# Altium PCB RemoteCtrl-V2.PcbDoc (part 4 of 4)
Units mil, origin at the board's own origin, x right, y up, seen from the top; angles counter-clockwise.
Board outline 3937.01 x 3700.79 mil, 2 copper layers (Top Layer, Bottom Layer); 118 components, 110 nets, 611 pads, 205 vias.
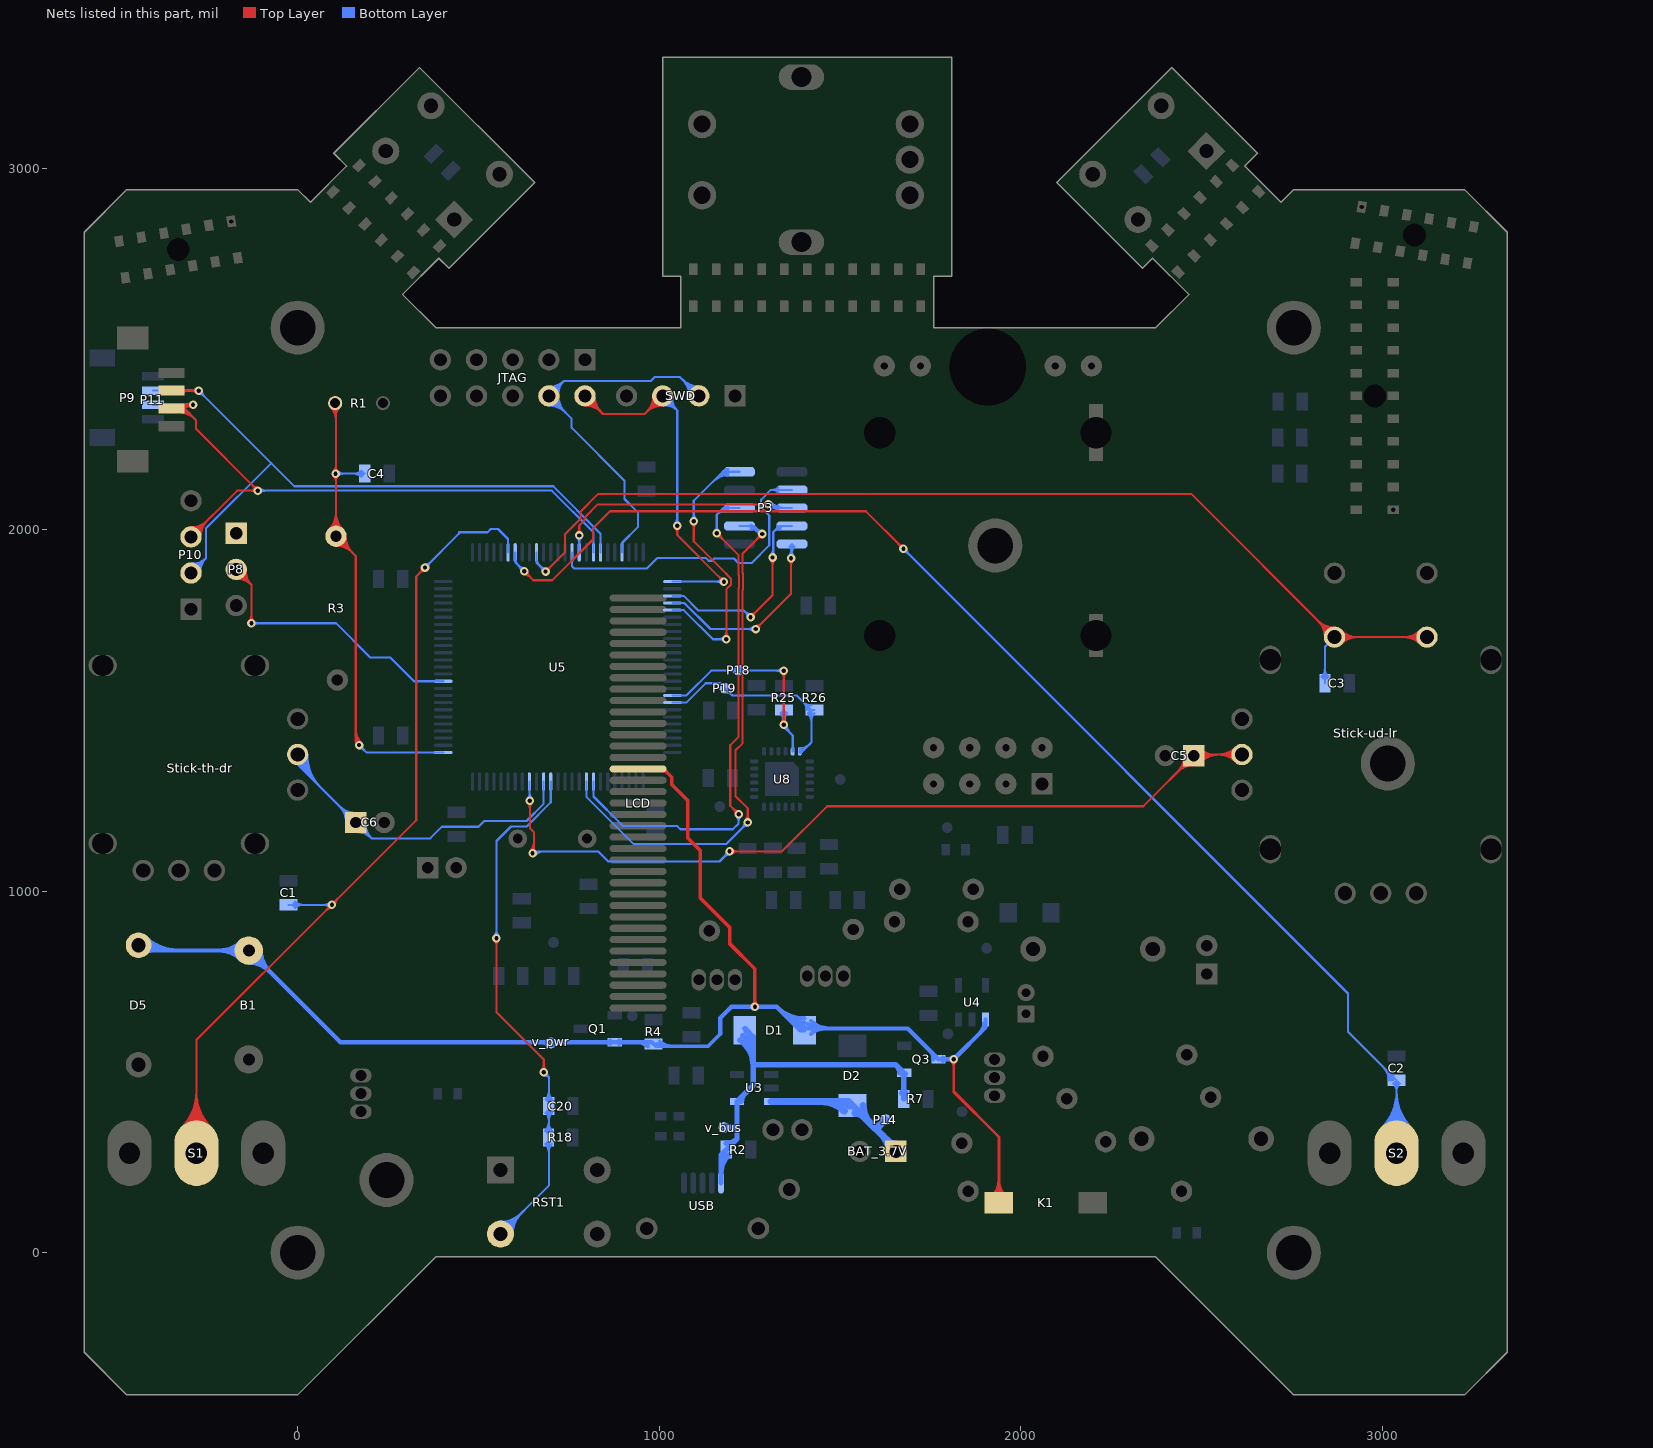
[diagram p4: the nets of this part, all layers, seen from the top]

## Via types
v1: diameter 23.62, hole 11.81, Top Layer to Bottom Layer, 200 vias
v2: diameter 17.72, hole 11.81, Top Layer to Bottom Layer, 3 vias
v3: diameter 17, hole 17, Top Layer to Bottom Layer, tented both sides, 2 vias

## Nets (pads, with @x,y where several pads share a name; then routed paths per layer and width w, separated by ;. In a path a pad name is that pad's centre, name@x,y a point inside that pad or via, vN(x,y) a via of type N, cw(c..) or ccw(c..) an arc to the next point about the centre after c; other vN are vias at no path point) (continued)
PC8: P3.3 U5.65 | length 900.2
  Bottom Layer w6: U5.65@759.37,1936.94 759.37,1897.87 764.9,1892.35 965.88,1892.35 995.54,1922 1129.11,1922 1137.11,1914 1146.76,1914 1152.79,1920.03 1207.19,1920.03 1219.8,1907.42 1255.57,1907.42 1304.81,1956.66 1304.81,2039.17 1282.19,2061.79 1282.19,2083.04 1309.15,2110 P3.3@1367.83,2110 ; P3.3@1330.4,2103.07 ccw(c1313.68,2086.35) 1313.68,2110 ccw(c1313.67,2133.65) P3.3@1330.4,2116.93
PC9: P3.5 U5.66 | length 929.6
  Top Layer w6: v1@772.82,1990.28 ccw(c757.78,2005.32) 779.05,2005.32 ccw(c800.33,2005.32) v1@785.29,1990.28 ; v1(779.05,1984.05) 779.05,2011.5 794,2026.44 794,2033.44 830.56,2070 v1(1302,2070) ; v1@1295.77,2063.77 ccw(c1280.73,2048.73) 1280.73,2070 ccw(c1280.73,2091.27) v1@1295.77,2076.23
  Bottom Layer w6: v1@772.82,1977.82 cw(c757.78,1962.78) 779.05,1962.78 cw(c800.33,1962.78) v1@785.29,1977.82 ; U5.66@779.06,1936.94 v1(779.05,1984.05) ; v1@1299.75,2067.75 ccw(c1318.45,2086.45) 1318.45,2060 ; v1(1302,2070) 1312,2060 P3.5@1367.83,2060 ; v1@1303.99,2071.99 ccw(c1332.93,2100.93) P3.5@1332.93,2060 ; v1@1308.23,2076.23 ccw(c1347.42,2115.42) P3.5@1347.42,2060 ; P3.5@1330.4,2053.07 ccw(c1313.68,2036.35) 1313.68,2060 ccw(c1313.67,2083.65) P3.5@1330.4,2066.93
PC10: P3.7 U5.78 | length 738.7
  Top Layer w6: v1(1253,1758) 1314,1819 v1(1314,1923) ; v1@1253,1766.81 ccw(c1253,1788.08) 1268.04,1773.04 ccw(c1283.08,1758) v1@1261.81,1758 ; v1@1307.77,1916.77 cw(c1292.73,1901.73) 1314,1901.73 cw(c1335.27,1901.73) v1@1320.23,1916.77
  Bottom Layer w6: U5.78@1036.94,1816.85 1068.15,1816.85 1109,1776 1235,1776 v1(1253,1758) ; v1@1244.19,1758 ccw(c1222.92,1758) 1237.96,1773.04 ccw(c1253,1788.08) v1@1253,1766.81 ; v1@1307.77,1929.23 ccw(c1288.36,1948.64) 1315.81,1948.64 ; v1(1314,1923) 1315.81,1924.81 1315.81,1993.81 ; 1315.81,1939.9 ccw(c1330.9,1939.9) v1@1320.23,1929.23 ; 1324.15,2002.15 cw(c1334.47,1991.83) P3.7@1336.73,2006.25 ; 1324.36,2002.36 ccw(c1316.73,2010) P3.7@1327.53,2010 ; P3.7@1335.8,2000.32 ccw(c1332.21,1977.42) 1315.81,1993.81 ; P3.7@1367.83,2010 1332,2010 1315.81,1993.81
PC11: P3.9 U5.79 | length 750
  Top Layer w6: v1(1267,1725) 1365,1823 v1(1365,1921) ; v1@1267,1733.81 ccw(c1267,1755.08) 1282.04,1740.04 ccw(c1297.08,1725) v1@1275.81,1725 ; v1@1358.77,1914.77 cw(c1343.73,1899.73) 1365,1899.73 cw(c1386.27,1899.73) v1@1371.23,1914.77
  Bottom Layer w6: U5.79@1036.94,1797.16 1069.83,1797.17 1142,1725 v1(1267,1725) ; v1@1260.77,1718.77 ccw(c1245.73,1703.73) 1245.73,1725 ccw(c1245.73,1746.27) v1@1260.77,1731.23 ; v1@1358.77,1927.23 ccw(c1343.73,1942.27) 1365,1942.27 ccw(c1386.27,1942.27) v1@1371.23,1927.23 ; v1@1360.59,1928.63 ccw(c1353.72,1940.54) 1367,1936.98 ; P3.9@1360.91,1953.07 cw(c1351.03,1943.2) 1365,1943.2 ; v1(1365,1921) 1365,1957.16 P3.9@1367.83,1960 ; v1@1365,1929.51 cw(c1398.33,1929.51) P3.9@1374.76,1953.07 ; 1365,1943.99 cw(c1383.84,1943.99) P3.9@1370.52,1957.32 ; 1368.48,1942.49 ccw(c1385.85,1937.83) v1@1371.86,1926.53
PC12: P3.2 U5.80 | length 1048.2
  Top Layer w6: v1@1089.77,2016.77 cw(c1074.73,2001.73) 1096,2001.73 cw(c1117.27,2001.73) v1@1102.23,2016.77 ; v1(1096,2023) 1096,1968 1186,1878 1186,1877.46 1199.03,1864.43 1199.03,1848.01 1186,1834.98 v1(1186,1697) ; v1@1179.77,1703.23 ccw(c1164.73,1718.27) 1186,1718.27 ccw(c1207.27,1718.27) v1@1192.23,1703.23
  Bottom Layer w6: U5.80@1036.94,1777.48 1068.52,1777.48 1149,1697 v1(1186,1697) ; v1@1089.77,2029.23 ccw(c1074.73,2044.27) 1096,2044.27 ccw(c1117.27,2044.27) v1@1102.23,2029.23 ; v1(1096,2023) 1096,2080 1176,2160 ; 1148.21,2132.21 cw(c1191.65,2088.77) P3.2@1191.65,2150.2 ; 1158.45,2142.45 cw(c1191.65,2109.25) P3.2@1191.65,2156.2 ; 1168.69,2152.69 cw(c1191.65,2129.74) P3.2@1191.65,2162.2 ; P3.2@1178.94,2162.94 cw(c1191.65,2150.22) P3.2@1191.65,2168.2 ; v1@1179.77,1690.77 ccw(c1164.73,1675.73) 1164.73,1697 ccw(c1164.73,1718.27) v1@1179.77,1703.23 ; P3.2@1182.84,2155.72 ccw(c1176,2152.39) 1176,2160 ; P3.2@1182.84,2164.28 cw(c1176,2167.61) 1176,2160 ; P3.2@1222.17,2160 1176,2160
PC14: P3.6 U5.8 | length 1678.4
  Top Layer w6: v1@1159.44,1981.19 cw(c1159.44,1959.92) 1174.48,1974.96 cw(c1189.53,1990) v1@1168.25,1990 ; v1(1159.44,1990) 1220,1929.44 1220,1874.57 1221.03,1873.54 1221.03,1838.9 1220,1837.87 1220,1427 1197,1404 1197,1236 v1(1220,1213) ; v1@1211.19,1213 ccw(c1189.92,1213) 1204.96,1228.04 ccw(c1220,1243.08) v1@1220,1221.81
  Bottom Layer w6: U5.8@818.42,1303.06 818.42,1261.78 895.2,1185 900.38,1179.82 1050.58,1179.82 1059.4,1171 1204,1171 1220,1187 v1(1220,1213) ; v1@1153.21,1996.23 ccw(c1138.17,2011.27) 1159.44,2011.27 ccw(c1180.72,2011.27) v1@1165.67,1996.23 ; v1(1159.44,1990) 1159.44,2041.29 ; 1167.34,2049.19 cw(c1185.72,2030.82) P3.6@1190.9,2056.28 ; 1175.24,2057.09 cw(c1188.39,2043.94) P3.6@1192.09,2062.16 ; P3.6@1182.34,2056.96 ccw(c1178.15,2055.59) 1178.15,2060 ; P3.6@1182.34,2063.04 cw(c1178.15,2064.41) 1178.15,2060 ; P3.6@1189.7,2050.4 ccw(c1183.05,2017.69) 1159.44,2041.3 ; v1@1213.77,1206.77 cw(c1198.73,1191.73) 1220,1191.73 cw(c1241.27,1191.73) v1@1226.23,1206.77 ; P3.6@1222.17,2060 1178.15,2060 ; 1159.44,2041.29 1178.15,2060
PC15: P3.8 U5.9 | length 1772.8
  Top Layer w6: v1@1238.77,1196.23 ccw(c1223.73,1211.27) 1245,1211.27 ccw(c1266.27,1211.27) v1@1251.23,1196.23 ; v1(1245,1190) 1245,1229 1211,1263 1211,1389 1231,1409 1231,1833.31 1232.03,1834.34 1232.03,1878.09 1231,1879.12 1231,1934 v1(1285,1988) ; v1@1276.19,1988 cw(c1254.92,1988) 1269.96,1972.96 cw(c1285,1957.92) v1@1285,1979.19
  Bottom Layer w6: U5.9@798.74,1303.06 798.74,1261.26 930,1130 1185,1130 v1(1245,1190) ; P3.8@1222.17,2010 1263,2010 v1(1285,1988) ccw(c1255.37,1958.37) P3.8@1253.19,2000.22 ; v1@1236.19,1190 cw(c1214.92,1190) 1229.96,1174.96 cw(c1245,1159.92) v1@1245,1181.19 ; P3.8@1252.56,2012.2 cw(c1253.48,1994.61) 1265.93,2007.07 ; P3.8@1252.87,2006.21 cw(c1254.42,1976.49) 1275.47,1997.53 ; P3.8@1261.03,2005.87 cw(c1244.43,1977.13) 1276.49,1985.72 ccw(c1255.94,1980.21) 1266.58,1998.64 ccw(c1277.21,2017.06) 1282.72,1996.51 cw(c1280.3,2005.55) 1275.62,1997.45 ; 1273.57,1998.63 cw(c1264.22,1982.43) v1@1282.28,1987.27 ; v1@1276.19,1988 ccw(c1254.92,1988) 1269.96,2003.04 ccw(c1285,2018.08) v1@1285,1996.81
PWM: P8.2 U5.36 | length 1039.7
  Top Layer w6: P8.2@-170,1890 -127.8,1847.8 ; P8.2@-169.26,1875.49 cw(c-167.74,1846.04) -146.89,1866.89 cw(c-126.04,1887.74) P8.2@-155.49,1889.26 ; P8.2@-168.95,1869.5 cw(c-166.81,1827.88) -137.35,1857.35 cw(c-107.88,1886.81) P8.2@-149.5,1888.95 ; P8.2@-168.64,1863.51 cw(c-165.88,1809.73) -127.81,1847.81 ; P8.2@-143.51,1888.64 ccw(c-89.73,1885.88) -127.81,1847.81 ; v1@-134.03,1747.28 ccw(c-149.07,1762.32) -127.8,1762.32 ccw(c-106.53,1762.32) v1@-121.57,1747.28 ; v1(-127.8,1741.05) -127.8,1847.8
  Bottom Layer w6: v1(-127.8,1741.05) 106.44,1741.05 201.56,1645.93 256.89,1645.93 322.2,1580.63 U5.36@403.06,1580.63 ; v1@-121.57,1734.82 cw(c-106.53,1719.78) -106.53,1741.05 cw(c-106.53,1762.32) v1@-121.57,1747.28
PWR: B1.2 D1.C D5.C K1.2 LCD.16 Q1.2 Q3.3 R4.1 U4.1 v_pwr.1 | length 5497.3
  Top Layer w8: v1@1809.48,529.48 cw(c1796.14,516.14) 1815,516.14 cw(c1833.86,516.14) v1@1820.52,529.48 ; v1(1815,535) 1815,445 1939.96,320.04 K1.2@1939.96,137.64 ; K1.2@1921.58,156.02 ccw(c1877.19,200.41) 1939.96,200.41 ccw(c2002.73,200.41) K1.2@1958.35,156.02 ; K1.2@1927.23,150.37 ccw(c1896.5,181.1) 1939.96,181.1 ccw(c1983.42,181.1) K1.2@1952.69,150.37
  Top Layer w10: LCD.16@941.77,1338.23 1011.77,1338.23 1035,1315 1035,1294.89 1079.19,1250.7 1079.19,1147.08 1113.82,1112.46 1113.82,981.18 1195,900 1195,855 1265,785 v1(1265,680) ; LCD.16@1010.67,1333.39 cw(c1010.67,1319.03) 1020.82,1329.18 ; v1@1260.18,684.82 ccw(c1248.56,696.44) 1265,696.44 ccw(c1281.44,696.44) v1@1269.82,684.82
  Bottom Layer w10: R4.1@985,577 990.75,571.25 1135.4,571.25 1169.15,605 ; R4.1@994.78,577.53 ccw(c1009.94,592.68) R4.1@1009.94,571.25 ; R4.1@1001.85,584.6 ccw(c1034.08,616.82) 1034.08,571.25
  Bottom Layer w12: D5.C@-440,850.36 -425.24,835.59 B1.2@-135,835.59 118.35,582.25 Q1.2@877.09,582.25 979.75,582.25 R4.1@985,577 ; D5.C@-436.16,854.2 ccw(c-391.24,899.12) -391.24,835.59 ; D5.C@-427.67,862.68 ccw(c-362.27,928.09) -362.27,835.59 ; D5.C@-419.19,829.54 cw(c-404.59,814.94) -404.59,835.59 ; D5.C@-419.19,871.17 ccw(c-333.3,957.06) -333.3,835.59 ; B1.2@-158.6,811.99 ccw(c-215.56,755.03) -215.56,835.59 ccw(c-215.56,916.15) B1.2@-158.6,859.19 ; B1.2@-150.11,820.48 ccw(c-186.59,784) -186.59,835.59 ccw(c-186.59,887.18) B1.2@-150.11,850.7 ; B1.2@-135,802.22 cw(c-135,721.66) -78.03,778.62 cw(c-21.07,835.59) B1.2@-101.63,835.59 ; B1.2@-135,814.22 cw(c-135,762.63) -98.52,799.11 cw(c-62.04,835.59) B1.2@-113.63,835.59 ; 673.85,582.25 cw(c673.85,552.85) v_pwr.1@694.64,573.64 ; 684.69,582.25 ccw(c684.69,596.31) v_pwr.1@694.64,586.36 ; v_pwr.1@707.36,573.64 cw(c728.15,552.85) 728.15,582.25 ; v_pwr.1@707.36,586.36 ccw(c717.31,596.31) 717.31,582.25 ; Q1.2@865.11,578.14 ccw(c855.19,568.22) 855.19,582.25 ccw(c855.19,596.27) Q1.2@865.11,586.35 ; Q1.2@889.07,578.14 cw(c898.99,568.22) 898.99,582.25 cw(c898.99,596.27) Q1.2@889.07,586.35 ; 939.55,582.25 cw(c939.55,540.8) R4.1@968.86,570.11 ; 1169.15,605 1169.15,649.15 1200,680 v1(1265,680) 1325,680 ; v1@1260.89,675.89 ccw(c1250.97,665.97) 1250.97,680 ccw(c1250.97,694.03) v1@1260.89,684.11 ; v1@1269.11,675.89 cw(c1279.03,665.97) 1279.03,680 cw(c1279.03,694.03) v1@1269.11,684.11 ; 1345.35,659.65 ccw(c1401.55,715.85) D1.C@1401.94,636.37 ; 1365.7,639.3 ccw(c1401.75,675.35) D1.C@1401.99,624.37 ; D1.C@1401.88,648.37 cw(c1401.36,756.35) 1325,680 ; D1.C@1402,615 1390,615 1325,680 ; D1.C@1402,620 1688,620 Q3.3@1772.8,535.2 v1@1815,535.2 ; D1.C@1411.55,632.42 ccw(c1441.52,662.39) 1441.52,620 ; D1.C@1420.03,604.84 cw(c1456.63,568.24) 1456.63,620 ; D1.C@1420.03,640.9 ccw(c1470.49,691.36) 1470.49,620 ; 1749.44,558.56 cw(c1726.08,535.2) Q3.3@1759.11,535.2 ; Q3.3@1784.78,531.09 cw(c1794.7,521.17) 1794.7,535.2 cw(c1794.7,549.23) Q3.3@1784.78,539.31 ; 1800.48,535.2 cw(c1800.48,520.48) v1@1810.89,530.89 ; 1801.46,535.2 ccw(c1801.46,548.54) v1@1810.89,539.11 ; v1@1815,540.81 ccw(c1815,554.83) 1824.92,544.92 ; v1@1815.2,535.2 1903,623 U4.1@1903,645 ; v1@1820.81,535 cw(c1834.85,535) 1824.92,544.92 ; 1887.85,607.85 ccw(c1860.54,635.16) U4.1@1899.16,635.16
R\S\T\: C20.1 R18.2 RST1.2 U5.14 | length 2245.4
  Top Layer w6: v1@543.77,863.77 cw(c528.73,848.73) 550,848.73 cw(c571.27,848.73) v1@556.23,863.77 ; v1(550,870) 550,665 681,534 v1(681,499) ; v1@674.77,505.23 ccw(c659.73,520.27) 681,520.27 ccw(c702.27,520.27) v1@687.23,505.23
  Bottom Layer w6: v1@543.77,876.23 ccw(c528.73,891.27) 550,891.27 ccw(c571.27,891.27) v1@556.23,876.23 ; v1(550,870) 550,1138.85 590.15,1179 633.56,1179 700.31,1245.76 U5.14@700.31,1303.06 ; RST1.2@561.14,51.42 694.99,185.27 C20.1@694.99,405.47 694.99,485.01 ; RST1.2@561.14,67.82 ccw(c561.14,107.41) 589.14,79.42 ccw(c617.14,51.42) RST1.2@577.54,51.42 ; RST1.2@561.14,73.82 ccw(c561.14,127.9) 599.38,89.66 ccw(c637.63,51.42) RST1.2@583.54,51.42 ; RST1.2@561.14,79.82 ccw(c561.14,148.38) 609.62,99.9 ccw(c658.11,51.42) RST1.2@589.54,51.42 ; RST1.2@561.14,85.82 ccw(c561.14,168.87) 619.87,110.14 ccw(c678.6,51.42) RST1.2@595.54,51.42 ; v1(681,499) 694.99,485.01 ; v1@681.46,490.2 cw(c682.39,472.41) 694.99,485.01 ; R18.2@685.05,300.59 cw(c661.05,276.59) 694.99,276.59 ; R18.2@685.05,337.12 ccw(c661.05,361.13) 694.99,361.13 ; C20.1@685.98,387.21 cw(c664.22,365.44) 694.99,365.44 cw(c725.77,365.44) C20.1@704.01,387.21 ; C20.1@685.98,423.74 ccw(c664.22,445.5) 694.99,445.5 ccw(c725.77,445.5) C20.1@704.01,423.74 ; R18.2@689.29,304.83 cw(c675.53,291.07) 694.99,291.07 ; R18.2@689.29,332.88 ccw(c675.53,346.64) 694.99,346.64 ; v1@689.8,498.54 ccw(c707.59,497.61) 694.99,485.01 ; C20.1@690.22,391.45 cw(c678.7,379.93) 694.99,379.93 cw(c711.28,379.93) C20.1@699.76,391.45 ; C20.1@690.22,419.49 ccw(c678.7,431.01) 694.99,431.01 ccw(c711.28,431.01) C20.1@699.76,419.49 ; 694.99,281.07 cw(c722.6,281.07) R18.2@703.08,300.59 ; 694.99,356.65 ccw(c722.6,356.65) R18.2@703.08,337.12
SCL: P18.1 R25.2 U5.92 U8.23 | length 1056.5
  Top Layer w6: v1@1338.77,1466.23 ccw(c1323.73,1481.27) 1345,1481.27 ccw(c1366.27,1481.27) v1@1351.23,1466.23 ; v1@1338.77,1603.77 cw(c1323.73,1588.73) 1345,1588.73 cw(c1366.27,1588.73) v1@1351.23,1603.77 ; v1(1345,1460) v1(1345,1610) v1@1345,1619.05
  Bottom Layer w6: U5.92@1036.94,1541.26 1075.2,1541.26 1143.93,1610 v1(1345,1610) ; 1188.61,1610 ccw(c1188.61,1642.39) P18.1@1211.51,1619.49 ; 1193.45,1610 cw(c1193.45,1584.45) P18.1@1211.51,1602.51 ; 1203.1,1610 ccw(c1203.1,1627.9) P18.1@1215.76,1615.24 ; P18.1@1224.24,1615.24 ccw(c1236.9,1627.9) 1236.9,1610 ; P18.1@1228.49,1602.51 cw(c1246.55,1584.45) 1246.55,1610 ; P18.1@1228.49,1619.49 ccw(c1251.39,1642.39) 1251.39,1610 ; R25.2@1335.99,1492.06 cw(c1314.22,1470.29) 1345,1470.29 cw(c1375.78,1470.29) R25.2@1354.01,1492.06 ; v1@1338.42,1465.86 ccw(c1326.02,1476.92) 1342.07,1481.22 ; v1@1338.77,1466.23 ccw(c1323.73,1481.27) 1345,1481.27 ccw(c1366.27,1481.27) v1@1351.23,1466.23 ; v1@1338.77,1603.77 ccw(c1323.73,1588.73) 1323.73,1610 ccw(c1323.73,1631.27) v1@1338.77,1616.23 ; R25.2@1340.23,1496.3 cw(c1328.71,1484.78) 1345,1484.78 cw(c1361.29,1484.78) R25.2@1349.77,1496.3 ; v1@1340.6,1467.63 ccw(c1334.51,1478.17) 1346.27,1475.02 ; 1343.73,1475.02 ccw(c1355.49,1478.17) v1@1349.41,1467.63 ; v1@1345,1451.19 cw(c1345,1441.99) 1351.51,1448.49 ; R25.2@1345,1501.07 v1(1345,1460) 1345,1455 1369.53,1430.47 U8.23@1369.53,1386.77 ; v1@1347.81,1460 ccw(c1366.67,1460) 1353.34,1446.67 ; 1347.93,1481.22 ccw(c1363.98,1476.92) v1@1351.58,1465.86 ; v1@1353.81,1460 ccw(c1387.15,1460) 1363.58,1436.42 ; U8.23@1367.75,1394.85 ccw(c1363.46,1399.13) 1369.53,1399.13 ccw(c1375.59,1399.13) U8.23@1371.3,1394.85
SDA: P19.1 R26.2 U5.93 U8.24 | length 831.5
  Bottom Layer w6: U5.93@1036.94,1521.57 1075.31,1521.58 1128.73,1575 1169.24,1575 1203.2,1541.05 ; P19.1@1182.29,1555.01 cw(c1183.01,1540.03) 1193.61,1550.63 ; P19.1@1182.58,1549.01 cw(c1183.89,1521.74) 1203.2,1541.05 ; P19.1@1194,1561 ccw(c1219.97,1561) 1201.61,1542.64 ; U8.24@1389.21,1383.58 ccw(c1389.21,1394.49) 1396.93,1386.78 ; U8.24@1389.21,1386.77 1389.21,1385.36 1395.51,1385.36 ; U8.24@1389.21,1389.58 ccw(c1389.21,1414.98) 1407.17,1397.02 ; U8.24@1389.21,1395.58 ccw(c1389.21,1435.46) 1417.41,1407.26 ; U8.24@1389.34,1382.98 ccw(c1389.74,1391.13) 1395.51,1385.36 ; U8.24@1391.47,1387.88 ccw(c1395.51,1389.87) 1395.51,1385.36 ; 1398.67,1523.6 cw(c1376.14,1501.07) R26.2@1408,1501.07 ; 1399.75,1522.52 ccw(c1420.75,1543.51) R26.2@1420.75,1513.82 ; R26.2@1408.91,1513.36 cw(c1396.63,1501.07) R26.2@1414,1501.07 ; R26.2@1411.73,1492.06 cw(c1388.89,1469.21) 1421.2,1469.21 ; R26.2@1415.98,1496.3 cw(c1403.38,1483.7) 1421.2,1483.7 ; 1421.2,1471.38 cw(c1450.44,1471.38) R26.2@1429.76,1492.06 ; R26.2@1430,1501.07 R26.2@1421.2,1501.07 ; 1203.2,1541.05 1381.22,1541.05 R26.2@1421.2,1501.07 ; 1395.51,1385.36 1421.2,1411.05 R26.2@1421.2,1501.07
STICK_KEY: C3.1 Stick-ud-lr.8 U5.60 | length 3790.1
  Top Layer w6: v1(686,1884) 740,1938 740,1988 783,2031 783,2050 832,2099 2471.98,2099 Stick-ud-lr.8@2868.26,1702.72 Stick-ud-lr.8@3124.17,1702.72 ; v1@686,1892.81 ccw(c686,1914.08) 701.04,1899.04 ccw(c716.08,1884) v1@694.81,1884 ; Stick-ud-lr.8@2841.73,1702.72 ccw(c2777.69,1702.72) 2822.98,1748 ccw(c2868.26,1793.29) Stick-ud-lr.8@2868.26,1729.24 ; Stick-ud-lr.8@2847.73,1702.72 ccw(c2798.18,1702.72) 2833.22,1737.76 ccw(c2868.26,1772.8) Stick-ud-lr.8@2868.26,1723.24 ; Stick-ud-lr.8@2853.73,1702.72 ccw(c2818.66,1702.72) 2843.46,1727.52 ccw(c2868.26,1752.32) Stick-ud-lr.8@2868.26,1717.24 ; Stick-ud-lr.8@2878.53,1692.44 cw(c2903.33,1667.64) 2903.33,1702.72 cw(c2903.33,1737.79) Stick-ud-lr.8@2878.53,1712.99 ; Stick-ud-lr.8@2882.78,1688.2 cw(c2917.82,1653.16) 2917.82,1702.72 cw(c2917.82,1752.27) Stick-ud-lr.8@2882.78,1717.23 ; Stick-ud-lr.8@2887.02,1683.96 cw(c2932.3,1638.67) 2932.3,1702.72 cw(c2932.3,1766.76) Stick-ud-lr.8@2887.02,1721.47 ; Stick-ud-lr.8@3105.41,1683.96 ccw(c3060.12,1638.67) 3060.12,1702.72 ccw(c3060.12,1766.76) Stick-ud-lr.8@3105.41,1721.47 ; Stick-ud-lr.8@3109.65,1688.2 ccw(c3074.61,1653.16) 3074.61,1702.72 ccw(c3074.61,1752.27) Stick-ud-lr.8@3109.65,1717.23 ; Stick-ud-lr.8@3113.89,1692.44 ccw(c3089.09,1667.64) 3089.09,1702.72 ccw(c3089.09,1737.79) Stick-ud-lr.8@3113.89,1712.99
  Bottom Layer w6: U5.60@660.94,1936.94 660.94,1909.06 v1(686,1884) ; U5.60@662.28,1915.68 ccw(c681.47,1915.68) 667.9,1902.1 ; v1@677.19,1884 ccw(c655.92,1884) 670.96,1899.04 ccw(c686,1914.08) v1@686,1892.81 ; C3.1@2832.99,1593.27 ccw(c2811.22,1615.03) 2842,1615.03 ccw(c2872.78,1615.03) C3.1@2851.01,1593.27 ; C3.1@2837.23,1589.02 ccw(c2825.71,1600.54) 2842,1600.54 ccw(c2858.29,1600.54) C3.1@2846.77,1589.02 ; C3.1@2842,1575 2842,1676.46 Stick-ud-lr.8@2868.26,1702.72
SW1: C1.1 S1.2 U5.56 | length 3547
  Top Layer w6: S1.2@-321.03,345.56 ccw(c-420.08,444.61) -280,444.61 ccw(c-139.92,444.61) S1.2@-238.97,345.56 ; S1.2@-316.79,341.31 ccw(c-405.6,430.12) -280,430.12 ccw(c-154.4,430.12) S1.2@-243.21,341.31 ; S1.2@-312.54,337.07 ccw(c-391.11,415.64) -280,415.64 ccw(c-168.89,415.64) S1.2@-247.46,337.07 ; S1.2@-308.3,332.83 ccw(c-376.62,401.15) -280,401.15 ccw(c-183.37,401.15) S1.2@-251.7,332.83 ; S1.2@-304.06,328.59 ccw(c-362.14,386.67) -280,386.67 ccw(c-197.86,386.67) S1.2@-255.94,328.59 ; S1.2@-299.81,324.34 ccw(c-347.65,372.18) -280,372.18 ccw(c-212.34,372.18) S1.2@-260.18,324.34 ; S1.2@-280,275 -280,588 94,962 v1(95,962) ; 78.25,946.25 cw(c95,929.5) v1@95,953.19 ; 80.66,948.67 ccw(c67.33,962) v1@86.19,962 ; v1@94.5,962.5 328,1196 328,1870.65 v1(352.35,1895) ; v1@95,970.81 ccw(c95,989.67) 108.33,976.33 ; v1@103.81,962 cw(c127.5,962) 110.75,978.75 ; v1@343.54,1895 cw(c322.27,1895) 337.31,1879.96 cw(c352.35,1864.92) v1@352.35,1886.19
  Bottom Layer w6: C1.1@-25,962 v1(95,962) ; C1.1@-10.98,957.23 cw(c0.54,945.71) 0.54,962 cw(c0.54,978.29) C1.1@-10.98,966.77 ; C1.1@-6.73,952.99 cw(c15.03,931.22) 15.03,962 cw(c15.03,992.78) C1.1@-6.73,971.01 ; v1@88.77,955.77 ccw(c73.73,940.73) 73.73,962 ccw(c73.73,983.27) v1@88.77,968.23 ; v1(352.35,1895) 447,1989.65 447,1993 525.65,1993 534.63,2001.98 554.28,2001.98 582.2,1974.05 U5.56@582.2,1936.94 ; v1@352.35,1903.81 ccw(c352.35,1925.08) 367.4,1910.04 ccw(c382.44,1895) v1@361.17,1895
SW2: C2.1 S2.2 U5.57 | length 4796.9
  Top Layer w6: v1@627,1876.19 cw(c627,1854.92) 642.04,1869.96 cw(c657.08,1885) v1@635.81,1885 ; v1(627,1885) 652,1860 704,1860 817,1973 817,2004 864,2051 1292.98,2051 1293.79,2050.19 1310.21,2050.19 1311.02,2051 1572,2051 v1(1676,1947) ; v1@1667.19,1947 ccw(c1645.92,1947) 1660.96,1962.04 ccw(c1676,1977.08) v1@1676,1955.81
  Bottom Layer w6: U5.57@601.89,1936.94 601.89,1910.11 v1(627,1885) ; U5.57@603.22,1915.68 ccw(c619.87,1915.68) 608.1,1903.9 ; v1@618.19,1885 ccw(c596.92,1885) 611.96,1900.04 ccw(c627,1915.08) v1@627,1893.81 ; v1@1676,1938.19 cw(c1676,1916.92) 1691.04,1931.96 cw(c1706.08,1947) v1@1684.81,1947 ; v1(1676,1947) 2906,717 2906,611 C2.1@3040,477 S2.2@3040,275 ; S2.2@2998.97,345.56 ccw(c2899.92,444.61) 3040,444.61 ccw(c3180.08,444.61) S2.2@3081.03,345.56 ; 3002.44,514.56 cw(c2964.89,477) C2.1@3018,477 ; S2.2@3003.21,341.31 ccw(c2914.4,430.12) 3040,430.12 ccw(c3165.6,430.12) S2.2@3076.79,341.31 ; S2.2@3007.46,337.07 ccw(c2928.89,415.64) 3040,415.64 ccw(c3151.11,415.64) S2.2@3072.54,337.07 ; S2.2@3011.7,332.83 ccw(c2943.38,401.15) 3040,401.15 ccw(c3136.63,401.15) S2.2@3068.3,332.83 ; 3012.69,504.31 cw(c2985.37,477) C2.1@3024,477 ; S2.2@3015.94,328.59 ccw(c2957.86,386.67) 3040,386.67 ccw(c3122.14,386.67) S2.2@3064.06,328.59 ; S2.2@3020.19,324.34 ccw(c2972.35,372.18) 3040,372.18 ccw(c3107.66,372.18) S2.2@3059.82,324.34 ; 3022.93,494.07 cw(c3005.86,477) C2.1@3030,477 ; C2.1@3024.78,492.22 ccw(c3030.75,498.19) C2.1@3030.75,489.75 ; C2.1@3030.99,467.99 cw(c3009.22,446.22) 3040,446.22 cw(c3070.78,446.22) C2.1@3049.01,467.99 ; C2.1@3035.23,472.23 cw(c3023.71,460.71) 3040,460.71 cw(c3056.29,460.71) C2.1@3044.77,472.23
SWCLK: JTAG.2 SWD.3 U5.76 | length 1774.9
  Top Layer w6: JTAG.2@795,2343.47 cw(c795,2279.43) 840.29,2324.71 cw(c885.57,2370) JTAG.2@821.53,2370 ; JTAG.2@795,2349.47 cw(c795,2299.91) 830.04,2334.96 cw(c865.09,2370) JTAG.2@815.53,2370 ; JTAG.2@795,2355.47 cw(c795,2320.4) 819.8,2345.2 cw(c844.6,2370) JTAG.2@809.53,2370 ; JTAG.2@795,2370 845,2320 960,2320 SWD.3@1010,2370 ; SWD.3@983.47,2370 cw(c919.43,2370) 964.71,2324.71 cw(c1010,2279.43) SWD.3@1010,2343.47 ; SWD.3@989.47,2370 cw(c939.91,2370) 974.96,2334.95 cw(c1010,2299.92) SWD.3@1010,2349.47 ; SWD.3@995.47,2370 cw(c960.4,2370) 985.2,2345.2 cw(c1010,2320.4) SWD.3@1010,2355.47 ; v1@1043.77,2004.77 cw(c1028.73,1989.73) 1050,1989.73 cw(c1071.27,1989.73) v1@1056.23,2004.77 ; v1(1050,2011) 1050,1985.44 v1(1179.22,1856.22) ; v1@1170.41,1856.22 ccw(c1149.14,1856.22) 1164.18,1871.26 ccw(c1179.22,1886.3) v1@1179.22,1865.03
  Bottom Layer w6: SWD.3@1010,2370 1050,2330 ; SWD.3@1011.33,2355.53 cw(c1013.69,2329.88) 1031.9,2348.1 cw(c1050.12,2366.31) SWD.3@1024.47,2368.67 ; SWD.3@1011.88,2349.56 cw(c1015.21,2313.31) 1040.95,2339.05 cw(c1066.69,2364.79) SWD.3@1030.44,2368.12 ; SWD.3@1012.43,2343.58 cw(c1016.73,2296.74) 1050,2330 ; SWD.3@1036.42,2367.57 ccw(c1083.26,2363.27) 1050,2330 ; U5.76@1036.94,1856.22 v1(1179.22,1856.22) ; v1@1043.77,2017.23 ccw(c1028.73,2032.27) 1050,2032.27 ccw(c1071.27,2032.27) v1@1056.23,2017.23 ; v1(1050,2011) 1050,2330 ; v1@1172.99,1849.99 ccw(c1157.95,1834.95) 1157.95,1856.22 ccw(c1157.95,1877.49) v1@1172.99,1862.45
SWDIO: JTAG.4 SWD.2 U5.72 | length 1690.6
  Bottom Layer w6: JTAG.4@695,2343.47 cw(c695,2279.43) 740.29,2324.71 cw(c785.57,2370) JTAG.4@721.53,2370 ; JTAG.4@695,2349.47 cw(c695,2299.91) 730.04,2334.96 cw(c765.09,2370) JTAG.4@715.53,2370 ; JTAG.4@695,2355.47 cw(c695,2320.4) 719.8,2345.2 cw(c744.6,2370) JTAG.4@709.53,2370 ; JTAG.4@696.04,2384.49 ccw(c698.02,2411.94) 717.48,2392.48 ccw(c736.94,2373.02) JTAG.4@709.49,2371.04 ; JTAG.4@696.48,2390.47 ccw(c699.27,2429.26) 726.76,2401.76 ccw(c754.26,2374.27) JTAG.4@715.48,2371.47 ; JTAG.4@696.91,2396.46 ccw(c700.52,2446.58) 736.05,2411.05 ; JTAG.4@721.46,2371.91 cw(c771.58,2375.52) 736.05,2411.05 ; U5.72@897.17,1936.94 897.16,1963.05 941.2,2007.08 941.2,2047.98 904.2,2084.98 904.2,2135.48 758.01,2281.67 758.01,2306.99 JTAG.4@695,2370 736.05,2411.05 ; U5.72@898.5,1958.2 cw(c913.42,1958.2) 902.87,1968.75 ; SWD.2@1083.47,2370 ccw(c1019.43,2370) 1064.71,2415.29 ccw(c1110,2460.57) SWD.2@1110,2396.53 ; SWD.2@1089.47,2370 ccw(c1039.91,2370) 1074.96,2405.04 ccw(c1110,2440.09) SWD.2@1110,2390.53 ; SWD.2@1095.47,2370 ccw(c1060.4,2370) 1085.2,2394.8 ccw(c1110,2419.6) SWD.2@1110,2384.53 ; SWD.2@1110,2370 1057.47,2422.53 988.24,2422.53 976.76,2411.05 736.05,2411.05
TH_ADC: C6.A Stick-th-dr.5 U5.15 | length 1828.2
  Bottom Layer w6: Stick-th-dr.5@-9.42,1378.02 ccw(c33.96,1378.02) 3.29,1347.34 ; Stick-th-dr.5@-3.42,1378.02 ccw(c54.45,1378.02) 13.53,1337.1 ; Stick-th-dr.5@0.05,1378.02 0.05,1350.58 C6.A@160.63,1190 204.63,1146 ; Stick-th-dr.5@2.58,1378.02 ccw(c74.93,1378.02) 23.77,1326.86 ; Stick-th-dr.5@8.58,1378.02 ccw(c95.42,1378.02) 34.02,1316.61 ; Stick-th-dr.5@14.58,1378.02 ccw(c115.9,1378.02) 44.26,1306.37 ; Stick-th-dr.5@20.58,1378.02 ccw(c136.39,1378.02) 54.5,1296.13 ; Stick-th-dr.5@26.58,1378.02 ccw(c156.87,1378.02) 64.74,1285.89 ; C6.A@134.1,1190 ccw(c70.06,1190) 115.35,1235.28 ccw(c160.63,1280.57) C6.A@160.63,1216.53 ; C6.A@140.1,1190 ccw(c90.55,1190) 125.59,1225.04 ccw(c160.63,1260.08) C6.A@160.63,1210.53 ; C6.A@146.1,1190 ccw(c111.03,1190) 135.83,1214.8 ccw(c160.63,1239.6) C6.A@160.63,1204.53 ; C6.A@160.93,1175.47 cw(c161.6,1142.78) 184.73,1165.9 cw(c207.85,1189.03) C6.A@175.16,1189.7 ; C6.A@161.05,1169.48 cw(c162.01,1123.28) 194.68,1155.95 cw(c227.35,1188.62) C6.A@181.15,1189.58 ; C6.A@161.18,1163.48 cw(c162.41,1103.78) 204.63,1146 ; C6.A@187.15,1189.45 ccw(c246.85,1188.22) 204.63,1146 ; U5.15@680.63,1303.06 680.63,1241.63 633,1194 516.44,1194 500.44,1178 399,1178 367,1146 204.63,1146
UART1_RX: P9.2 P10.2 P11.2 U5.69 | length 2301.2
  Top Layer w6: P11.2@-349,2384.61 v1(-273.8,2384.61) ; P11.2@-319.72,2376.83 cw(c-300.94,2358.05) -300.94,2384.61 cw(c-300.95,2411.16) P11.2@-319.72,2392.38 ; v1@-280.03,2378.38 ccw(c-295.07,2363.34) -295.07,2384.61 ccw(c-295.07,2405.88) v1@-280.03,2390.84
  Bottom Layer w6: P9.2@-399.73,2384.68 -357.8,2384.68 v1@-273.88,2384.68 ; P9.2@-374.79,2378.45 cw(c-359.75,2363.41) -359.75,2384.68 cw(c-359.75,2405.95) P9.2@-374.79,2390.91 ; -295.26,2384.68 cw(c-295.26,2363.15) v1@-280.03,2378.38 ; P10.2@-295,1880 -253.8,1921.2 ; -294.89,2384.68 ccw(c-294.89,2405.7) v1@-280.03,2390.84 ; P10.2@-294,1894.49 ccw(c-292.07,1922.2) -272.44,1902.56 ccw(c-252.81,1882.92) P10.2@-280.51,1881 ; P10.2@-293.58,1900.48 ccw(c-290.87,1939.62) -263.12,1911.88 ccw(c-235.38,1884.13) P10.2@-274.52,1881.42 ; P10.2@-293.17,1906.46 ccw(c-289.66,1957.05) -253.8,1921.19 ; v1@-273.8,2375.8 cw(c-273.8,2354.52) -258.76,2369.57 cw(c-243.72,2384.61) v1@-264.99,2384.61 ; v1(-273.8,2384.61) -73,2183.8 -9.06,2119.86 484.38,2119.86 707.14,2119.86 838.11,1988.89 U5.69@838.11,1936.94 ; P10.2@-268.54,1881.83 cw(c-217.95,1885.34) -253.81,1921.19 ; -73.05,2183.8 -253.8,2003.05 -253.8,1921.2
UART1_TX: P9.3 P10.3 P11.3 U5.68 | length 2470.6
  Top Layer w6: P11.3@-349,2335 P11.3@-321,2335 ; P11.3@-328.35,2335.52 cw(c-310.81,2324.71) -310.81,2345.31 ; P11.3@-327.5,2324 cw(c-327.5,2262.44) -283.97,2305.97 ; P11.3@-327.5,2330 cw(c-327.5,2282.92) -294.21,2316.21 ; P11.3@-327.5,2336 cw(c-327.5,2303.41) -304.45,2326.45 ; P11.3@-323.24,2332.38 cw(c-300.06,2318.08) v1@-300.06,2345.31 ; P11.3@-321.47,2344.2 ccw(c-316.76,2351.39) -310.69,2345.31 ; P11.3@-318.14,2329.23 cw(c-289.31,2311.45) v1(-289.31,2345.31) -310.69,2345.31 ; P11.3@-316.91,2332.04 cw(c-313,2330.94) -313,2335 ; P11.3@-316.91,2337.96 ccw(c-313,2339.06) -313,2335 ; P11.3@-316.5,2335 cw(c-305.64,2335) -313.32,2342.68 ; -309.03,2342.91 cw(c-305.49,2329.72) v1@-295.66,2339.2 ; -304.09,2344.23 ccw(c-307.14,2355.6) v1@-296.94,2349.72 ; v1@-297.5,2348.56 cw(c-309.62,2353.37) -306.25,2340.78 cw(c-302.87,2328.19) v1@-294.78,2338.41 ; v1@-295.54,2339.08 ccw(c-310.58,2324.04) -310.58,2345.31 ccw(c-310.58,2366.58) v1@-295.54,2351.54 ; P10.3@-295,1980 -167,2108 v1(-110,2108) -281,2279 -281,2303 -313,2335 ; P10.3@-295,1994.53 ccw(c-295,2029.6) -270.2,2004.8 ccw(c-245.4,1980) P10.3@-280.47,1980 ; P10.3@-295,2000.53 ccw(c-295,2050.09) -259.95,2015.04 ccw(c-224.92,1980) P10.3@-274.47,1980 ; P10.3@-295,2006.53 ccw(c-295,2070.57) -249.71,2025.29 ccw(c-204.43,1980) P10.3@-268.47,1980 ; v1@-118.81,2108 ccw(c-140.08,2108) -125.04,2123.04 ccw(c-110,2138.08) v1@-110,2116.81 ; v1@-116.23,2101.77 ccw(c-131.27,2086.73) -131.27,2108 ccw(c-131.27,2129.27) v1@-116.23,2114.23 ; P11.3@-321,2335 -313,2335 ; P11.3@-321,2335 -310.69,2345.31
  Bottom Layer w6: P9.3@-399.73,2345.31 v1(-289.31,2345.31) ; P9.3@-374.79,2339.08 cw(c-359.75,2324.04) -359.75,2345.31 cw(c-359.75,2366.58) P9.3@-374.79,2351.54 ; v1@-295.54,2339.08 ccw(c-310.58,2324.04) -310.58,2345.31 ccw(c-310.58,2366.58) v1@-295.54,2351.54 ; v1(-110,2108) 703.44,2108 818.42,1993.02 U5.68@818.42,1936.94 ; v1@-103.77,2101.77 cw(c-88.73,2086.73) -88.73,2108 cw(c-88.73,2129.27) v1@-103.77,2114.23
UD_ADC: C5.A Stick-ud-lr.5 U5.17 | length 3214.8
  Top Layer w6: v1@636.3,1243.77 cw(c621.26,1228.73) 642.53,1228.73 cw(c663.8,1228.73) v1@648.76,1243.77 ; v1(642.53,1250) 642.53,1174.47 653.53,1163.47 653.53,1108.53 v1(650,1105) ; v1@643.77,1111.23 ccw(c620.21,1134.79) 653.53,1134.79 ; v1@648.01,1106.99 ccw(c634.7,1120.3) 653.53,1120.3 ; 653.53,1117.76 ccw(c662.76,1117.76) v1@656.23,1111.23 ; v1(1195,1110) 1340,1110 1465,1235 2339.37,1235 2482.28,1377.91 Stick-ud-lr.5@2612.36,1377.91 ; v1@1201.23,1103.77 cw(c1216.27,1088.73) 1216.27,1110 cw(c1216.27,1131.27) v1@1201.23,1116.23 ; C5.A@2452.84,1375 cw(c2388.8,1375) 2434.08,1329.71 cw(c2479.37,1284.43) C5.A@2479.37,1348.47 ; C5.A@2454.57,1350.2 ccw(c2429.77,1375) C5.A@2464.84,1375 ; C5.A@2454.57,1350.2 cw(c2479.37,1325.4) C5.A@2479.37,1360.47 ; C5.A@2458.84,1375 cw(c2409.28,1375) 2444.33,1339.95 cw(c2479.37,1304.92) C5.A@2479.37,1354.47 ; C5.A@2489.64,1364.73 cw(c2521.48,1332.89) 2521.48,1377.91 ; C5.A@2493.89,1360.48 cw(c2535.96,1318.41) 2535.96,1377.91 ; C5.A@2493.89,1389.52 ccw(c2521.89,1417.52) 2521.89,1377.91 ; C5.A@2498.13,1356.24 cw(c2550.45,1303.92) 2550.45,1377.91 ; C5.A@2498.13,1393.76 ccw(c2536.38,1432.01) 2536.38,1377.91 ; Stick-ud-lr.5@2593.6,1359.15 ccw(c2548.31,1313.87) 2548.31,1377.91 ccw(c2548.31,1441.95) Stick-ud-lr.5@2593.6,1396.67 ; Stick-ud-lr.5@2597.84,1363.4 ccw(c2562.8,1328.35) 2562.8,1377.91 ccw(c2562.8,1427.47) Stick-ud-lr.5@2597.84,1392.43 ; Stick-ud-lr.5@2602.08,1367.64 ccw(c2577.28,1342.84) 2577.28,1377.91 ccw(c2577.28,1412.98) Stick-ud-lr.5@2602.08,1388.18
  Bottom Layer w6: v1@636.3,1256.23 ccw(c624.31,1268.21) 641.26,1268.21 ; 641.26,1274.33 ccw(c666.86,1274.33) v1@648.76,1256.23 ; U5.17@641.26,1303.06 641.26,1251.27 v1(642.53,1250) ; v1(650,1105) 655,1110 831,1110 859,1082 1167,1082 v1(1195,1110) ; v1@651.99,1103.01 cw(c668.86,1086.14) 668.86,1110 ; v1@656.23,1098.77 cw(c683.34,1071.66) 683.34,1110 ; v1@1186.19,1110 cw(c1164.92,1110) 1179.96,1094.96 cw(c1195,1079.92) v1@1195,1101.19
USBVBUS: D1.A Q3.1 R2.2 R7.1 U3.4 USB.VBUS v_bus.1 | length 1568.4
  Bottom Layer w6: R7.1@1669.26,444.38 ccw(c1657.28,460.05) 1677,460.05 ; Q3.1@1671.68,491.52 cw(c1656.64,476.48) 1677.91,476.48 cw(c1699.18,476.48) Q3.1@1684.14,491.52 ; R7.1@1677,425 1677,460.05 ; Q3.1@1677.91,497.76 1677.91,460.96 1677,460.05 ; R7.1@1684.74,444.38 cw(c1696.72,460.05) 1677,460.05
  Bottom Layer w15: USB.VBUS@1171.18,192.77 1171.18,270.11 R2.2@1186.07,285 1215.51,314.44 ; USB.VBUS@1171.18,219.89 cw(c1241.93,219.89) R2.2@1191.9,269.91 ; 1171.18,256.1 cw(c1205.72,256.1) R2.2@1181.3,280.52 ; v_bus.1@1180,347 1215.51,347 ; v_bus.1@1184.3,340.7 cw(c1199.52,325.48) 1199.52,347 ; v_bus.1@1184.3,351.3 ccw(c1194.69,361.69) 1194.69,347 ; R2.2@1186.17,302.5 ccw(c1186.67,343.28) 1215.51,314.44 ; D1.A@1223.27,587.45 cw(c1174.12,517.02) 1260,517.02 ; U3.4@1227.7,418.2 cw(c1257.11,418.2) 1236.31,439 ; D1.A@1231.85,599.75 cw(c1194.19,545.78) 1260,545.78 ; D1.A@1237,620 1260,597 1260,520 ; D1.A@1240.43,612.05 cw(c1214.26,574.54) 1260,574.54 ; 1658.4,515.45 cw(c1640.7,497.76) Q3.1@1665.73,497.76 ; R7.1@1671.17,440.08 ccw(c1657.09,454.16) 1677,454.16 ccw(c1696.91,454.16) R7.1@1682.83,440.08 ; R7.1@1677,425 1677,496.85 1653.85,520 1260,520 ; 1677,485.15 cw(c1690.52,485.15) Q3.1@1680.96,494.71 ; 1215.51,314.44 1215.51,347 ; 1215.51,347 U3.4@1215.51,418.2 1260,462.69 1260,520
VBAT: BAT_3.7V.1 D2.A P14.1 U3.3 | length 701.5
  Bottom Layer w12: BAT_3.7V.1@1655,280 BAT_3.7V.1@1655,287
  Bottom Layer w20: U3.3@1310,418.2 1523.8,418.2 D2.A@1535,407 1599,343 1601,343 P14.1@1626,368 ; 1448.19,418.2 cw(c1448.19,328.06) D2.A@1511.93,391.8 ; D2.A@1496.48,418.2 cw(c1496.48,376.35) D2.A@1526.07,405.94 ; D2.A@1542.87,385.5 cw(c1542.87,352.59) D2.A@1566.14,375.86 ; D2.A@1564.37,407 ccw(c1635.28,407) 1585.14,356.86 ; 1600,342 BAT_3.7V.1@1655,287 ; 1616.71,325.29 cw(c1571.43,280) BAT_3.7V.1@1635.47,280 ; BAT_3.7V.1@1633.61,308.39 ccw(c1655,329.77) BAT_3.7V.1@1655,299.53
VCC: P8.1
VPHOTORES: C4.2 R1.1 R3.1 U5.26 | length 2173.3
  Top Layer w6: R3.1@87.31,2000.61 ccw(c42.02,2045.89) 106.06,2045.89 ccw(c170.11,2045.89) R3.1@124.82,2000.61 ; R3.1@91.55,1996.37 ccw(c56.5,2031.41) 106.06,2031.41 ccw(c155.62,2031.41) R3.1@120.58,1996.37 ; R1.1@92.06,2338.2 cw(c58.26,2304.4) 106.06,2304.4 ; R3.1@95.79,1992.12 ccw(c70.99,2016.92) 106.06,2016.92 ccw(c141.14,2016.92) R3.1@116.34,1992.12 ; R1.1@96.3,2342.44 cw(c72.74,2318.88) 106.06,2318.88 ; v1@98.77,2148.77 cw(c81.17,2131.16) 106.06,2131.16 ; v1@98.77,2161.23 ccw(c81.17,2178.83) 106.06,2178.83 ; R1.1@103.86,2350 106.06,2347.8 v1@106.06,2155 ; R3.1@106.06,1955.32 cw(c106.06,1891.28) 151.35,1936.57 cw(c196.63,1981.85) R3.1@132.59,1981.85 ; R3.1@106.06,1961.32 cw(c106.06,1911.77) 141.11,1946.81 cw(c176.15,1981.85) R3.1@126.59,1981.85 ; R3.1@106.06,1967.32 cw(c106.06,1932.25) 130.86,1957.05 cw(c155.66,1981.85) R3.1@120.59,1981.85 ; 106.06,2136.29 cw(c123.71,2136.29) v1@111.23,2148.77 ; v1@106.06,2153.94 R3.1@106.06,1981.85 161,1926.91 161,1413 ; 106.06,2173.71 ccw(c123.71,2173.71) v1@111.23,2161.23 ; 106.06,2315.04 cw(c138.82,2315.04) R1.1@115.66,2338.2 ; 106.06,2329.52 cw(c124.33,2329.52) R1.1@111.41,2342.44 ; 161,1418.03 ccw(c184.03,1418.03) v1@167.75,1401.75 ; 161,1432.51 ccw(c198.51,1432.51) v1@171.99,1405.99 ; 161,1447 ccw(c213,1447) v1@176.23,1410.23 ; v1@161.98,1407.64 ccw(c157.62,1409.61) 161,1413 ; v1@166.36,1412.02 cw(c164.39,1416.38) 161,1413 ; v1(170,1404) 161,1413
  Bottom Layer w6: v1(105,2155) C4.2@186.07,2155 ; v1@111.23,2148.77 cw(c126.27,2133.73) 126.27,2155 cw(c126.27,2176.27) v1@111.23,2161.23 ; v1@170,1395.19 cw(c170,1373.92) 185.04,1388.96 cw(c200.08,1404) v1@178.81,1404 ; v1(170,1404) 190.22,1383.78 U5.26@403.06,1383.78 ; C4.2@177.06,2145.99 ccw(c155.29,2124.22) 155.29,2155 ccw(c155.29,2185.78) C4.2@177.06,2164.01 ; C4.2@181.3,2150.23 ccw(c169.78,2138.71) 169.78,2155 ccw(c169.78,2171.29) C4.2@181.3,2159.77
pads on no net: E1.6 JTAG.5 JTAG.6 JTAG.7 JTAG.8 JTAG.9 KEY1.3 KEY1.4 KEY2.3 KEY2.4 LCD.11 LCD.12 LCD.13 LCD.14 LCD.15 M1.GND M1.SLOT P1.2 P1.4 P1.6 P1.8 P1.10 P1.12 P1.14 P1.16 P1.17 P1.18 P1.19 P1.20 P1.21 P1.22 P2.1 P2.3 P2.5 P2.7 P2.9 P2.11 P2.13 P2.15 P2.17 P2.18 P2.19 P2.20 P2.21 P2.22 P2.SLOT P4.1 P4.3 P4.5 P4.7 P4.9 P4.10 P4.11 P4.12 P5.1 P5.3 P5.5 P5.7 P5.9 P5.10 P5.11 P5.12 P6.1 P6.3 P6.5 P6.7 P6.9 P6.10 P6.11 P6.12 P6.SLOT P7.1 P7.3 P7.5 P7.7 P7.9 P7.10 P7.11 P7.12 P7.SLOT P9.0 P11.M$0 P11.M$1 RST1.3 RST1.4 S1.1 S2.1 U5.37 U5.73 U5.77 U5.81 U5.82 U5.83 U5.84 U5.85 U5.86 U5.87 U5.88 U5.90 U5.91 U5.95 U5.96 U8.2 U8.3 U8.4 U8.5 U8.6 U8.7 U8.14 U8.15 U8.16 U8.17 U8.19 U8.21 U8.22 USB.ID
copper on no net:
  other v3: 1041.26,153.09 1198.74,153.09

## Polygon pours and split planes (outlines as drawn)
GND on Bottom Layer "Top Layer-No Net1" (solid, remove dead copper, pour order 8): -590.55,-275.59 -472.44,-393.7 0,-393.7 381.89,-11.81 2374.01,-11.81 2755.9,-393.7 3228.35,-393.7 3346.46,-275.59 3346.46,2822.84 3228.35,2940.95 2755.9,2940.95 2720.55,2905.59 2620.33,3005.81 2655.69,3041.16 2418.36,3278.49 2100.16,2960.29 2337.49,2722.97 2365.33,2750.81 2465.55,2650.59 2374.01,2559.06 1759.45,2559.06 1759.45,2700.79 1809.45,2700.79 1809.45,3307.09 1009.45,3307.09 1009.45,2700.79 1059.45,2700.79 1059.45,2559.06 381.89,2559.06 290.36,2650.59 390.58,2750.81 418.42,2722.97 655.74,2960.29 337.55,3278.49 100.22,3041.16 135.58,3005.81 35.36,2905.59 0,2940.95 -472.44,2940.95 -590.55,2822.84
GND on Top Layer "Top Layer-No Net" (solid, remove dead copper, pour order 5): -590.55,-275.59 -472.44,-393.7 0,-393.7 381.89,-11.81 2374.01,-11.81 2755.9,-393.7 3228.35,-393.7 3346.46,-275.59 3346.46,2822.84 3228.35,2940.95 2755.9,2940.95 2720.55,2905.59 2620.33,3005.81 2655.69,3041.16 2418.36,3278.49 2100.16,2960.29 2337.49,2722.97 2365.33,2750.81 2465.55,2650.59 2374.01,2559.06 1759.45,2559.06 1759.45,2700.79 1809.45,2700.79 1809.45,3307.09 1009.45,3307.09 1009.45,2700.79 1059.45,2700.79 1059.45,2559.06 381.89,2559.06 290.36,2650.59 390.58,2750.81 418.42,2722.97 655.74,2960.29 337.55,3278.49 100.22,3041.16 135.58,3005.81 35.36,2905.59 0,2940.95 -472.44,2940.95 -590.55,2822.84

## Keep-outs
Keep-Out Layer:
  lines w7: -590.55,-275.59 -472.44,-393.7 0,-393.7 381.89,-11.81 1393.7,-11.81 2374.01,-11.81 2755.9,-393.7 3228.35,-393.7 3346.46,-275.59 3346.46,2822.84 3228.35,2940.95 2755.9,2940.95 2720.55,2905.59 2620.33,3005.81 2655.68,3041.17 2418.36,3278.49 2100.16,2960.29 2337.49,2722.97 2365.33,2750.81 2465.54,2650.59 2374.01,2559.06 1759.45,2559.06 1759.45,2700.79 1809.45,2700.79 1809.45,3307.09 1009.45,3307.09 1009.45,2700.79 1059.45,2700.79 1059.45,2559.06 381.89,2559.06 290.36,2650.59 390.58,2750.81 418.42,2722.97 655.74,2960.29 337.55,3278.49 100.22,3041.17 135.58,3005.81 35.36,2905.59 0,2940.95 -472.44,2940.95 -590.55,2822.84 -590.55,-275.59

## Other copper
Top Layer:
  pour cut-out: 767.47,1433.88 991.33,1434.17 990,805 864,771 988,724 805,723 328,1196 328,1870.65 352.35,1895 462,1805 740,1775 597,1639.56
Multi-Layer:
  pour cut-out: 339.23,1809.88 445,1809 462,1805 468.17,1422 343.25,1422
  pour cut-out: 1018,1371 1067,1371 1093,1397 1093,1842 1065,1892 789,1892 877,1808 878,1716 1009,1718 1011,1648 878,1649 878,1496 1008.77,1426.01 1080,1406 1031,1383 1018,1370
  pour cut-out: 475,1885 444,1923 442,2065 880,2066 918.2,2022.05 915.12,1971.81 914,1889
  pour cut-out: 1677,1499 1677,1273 1722,1228 1974,1228 2006,1260 2006,1351 2087,1351 2132,1396 2132,1430 2063,1499

## Silkscreen, mask and mechanical layers (free items; w line width, h text height)
Top Overlay:
  text "3V3" at -250,2425 h32
  text "RX" at -245,2370 h32
  text "TX" at -250,2320 h32
  text "GND" at -250,2270 h32
  text "GND" at 925,2225 h32 r90
  text "CLK" at 1025,2225 h32 r90
  text "DIO" at 1125,2225 h32 r90
  text "3V3" at 1230,2220 h32 r90
  text "RemoteCtrl-V2" at -498,-198 h50
Bottom Overlay:
  text "3V3" at -235,2425 h32
  text "RX" at -235,2375 h32
  text "TX" at -235,2325 h32
  text "GND" at -235,2275 h32
  text "C7" at 1510,2146 h32
  text "C12" at 1158,2142 h32
  text "C8" at 1510,2096 h32
  text "C13" at 1159,2094 h32
  text "C14" at 1160,2046 h32
  text "C9" at 1511,2045 h32
  text "C10" at 1510,1993 h32
  text "C15" at 1159.44,1990 h32
  text "A8" at 1159,1943 h32
  text "C11" at 1510,1940 h32
Top Solder:
  text "BD" at 341,24 h80